# Altium PCB Radxa_E25_V1.4_20220119.PcbDoc (part 2 of 5)
Units mil, origin at the board's own origin, x right, y up, seen from the top; angles counter-clockwise.
Board outline 3106.31 x 2679.13 mil, 6 copper layers (Top, GND1, S1, Power, GND2, Bottom), stack 58.1 mil thick; 477 components, 352 nets, 1856 pads, 1064 vias.
Unrouted connection lines stored in the file: 297.
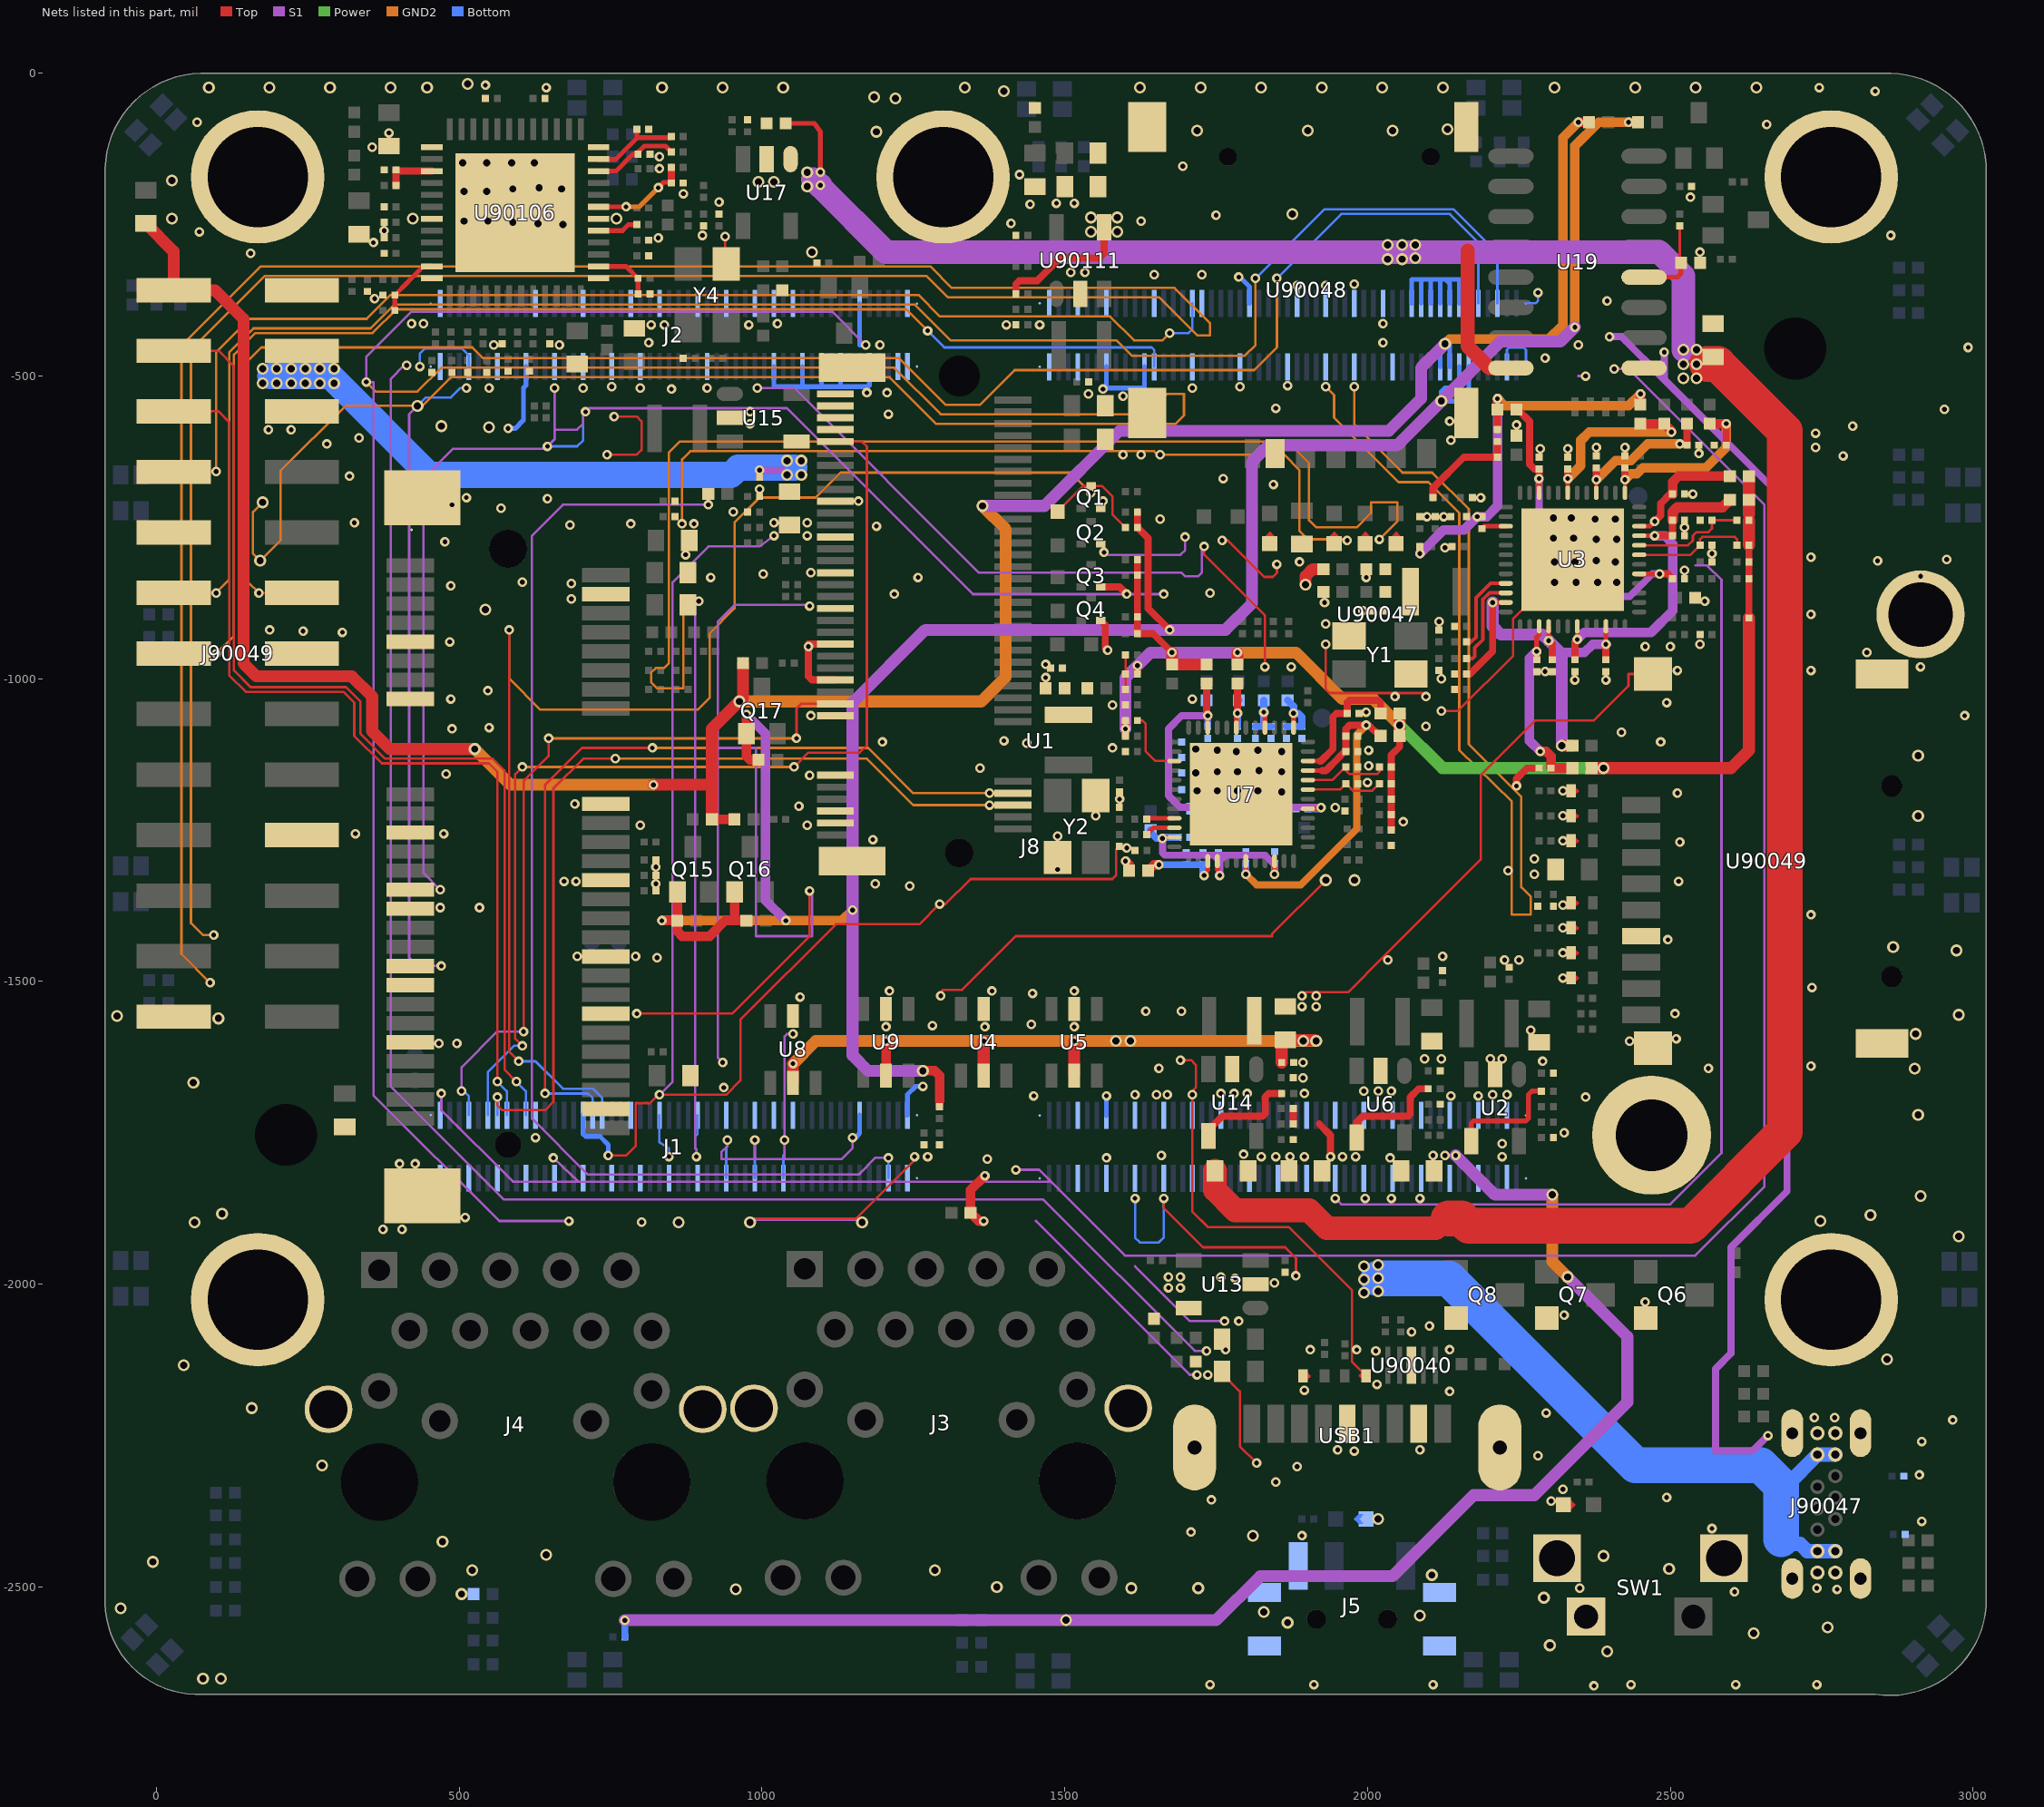
[diagram p6: the nets of this part, all layers, seen from the top]

## Via types
v1: diameter 15.75, hole 7.87, Top to Bottom, 825 vias
v2: diameter 19.68, hole 11.81, Top to Bottom, 239 vias

## Nets (pads, with @x,y where several pads share a name; then routed paths per layer and width w, separated by ;. In a path a pad name is that pad's centre, name@x,y a point inside that pad or via, vN(x,y) a via of type N, cw(c..) or ccw(c..) an arc to the next point about the centre after c; other vN are vias at no path point)
5V: C83.1 C106.1 C118.1 C128.1 C90300.1 J90047.A4 J90047.A9 J90047.B4 J90047.B9 J90049.2 J90049.4 R99.1 R110.1 R146.1 R90499.1 R90650.1 U1.77 U1.79 U1.81 U1.83 U1.85 U1.87 U13.5 U14.4 U15.4 U17.1 U19.16 U90111.4 | length 7358
  Top w7.87: C118.1@1039.37,-82.68 1086.61,-82.68 1096.46,-96.46 v1(1096.46,-163.39) ; v2(2543.31,-480.31) C128.1@2561.02,-480.31
  Top w11.81: R110.1@996.06,-667.32 v1(996.06,-655.51) ; R90650.1@1419.29,-364.17 1419.29,-348.43 1425.2,-342.52 1454.72,-342.52 1492.13,-305.12 1557.09,-305.12 1564.96,-297.24 U90111.4@1564.92,-253.97 U90111.4@1564.92,-253.97 ; U14.4@1737.5,-1755.14 1737.5,-1745.29 1760.35,-1722.44 1826.77,-1722.44 1830.71,-1718.5 1830.71,-1690.94 1836.61,-1685.04 R99.1@1858.27,-1685.04
  Top w23.62: 2165.35,-293.31 2165.35,-450.79 2201.27,-486.7 U19.16@2236.8,-486.7
  Top w39.37: C83.1@1748.03,-1812.99 1748.03,-1844.49 1781.5,-1877.95 1903.54,-1877.95 1933.07,-1907.48 2112.2,-1907.48 2127.95,-1891.73 2133.86,-1891.73
  Top w59.06: 2133.86,-1891.73 2155.51,-1891.73 2167.32,-1903.54 2533.46,-1903.54 2688.98,-1748.03 2688.98,-590.55 2578.74,-480.31 C128.1@2561.02,-480.31
  S1 w3.94: v2(1074.8,-163.39) v2(1074.8,-187.01) v1@1096.46,-187.01 ; v2@1082.68,-163.39 v1(1096.46,-163.39)
  S1 w7.87: v2(1074.8,-163.39) 1082.68,-163.39 1084.65,-165.35 1084.65,-175.2
  S1 w11.81: v1(996.06,-655.51) 1033.46,-655.51 v2(1041.34,-663.39)
  S1 w39.37: 1084.65,-175.2 1085.63,-176.18 1095.47,-186.02 v1@1096.46,-187.01 ; v1(1096.46,-185.04) v1@1096.46,-187.01 ; v2(2521.65,-456.69) 2521.65,-334.65 2482.28,-295.28 2078.74,-295.28 1204.72,-295.28 v1@1096.46,-187.01
  Bottom w3.94: v2(175.2,-488.19) 176.42,-488.19 188.23,-500 ; v2(1041.34,-663.39) 1053.15,-651.57
  Bottom w7.87: U1.77@2072.83,-379.92 2072.83,-340.55 2088.58,-340.55 ; U1.79@2088.58,-379.92 2088.58,-340.55 ; U1.81@2104.33,-379.92 2104.33,-342.88 2102,-340.55 ; U1.83@2120.08,-379.92 2120.08,-341.11 2119.52,-340.55 ; U1.85@2135.83,-379.92 2135.83,-347.08 2129.3,-340.55 ; U1.87@2151.57,-379.92 2151.57,-340.55 2129.3,-340.55 ; 2088.58,-340.55 2102,-340.55 ; 2102,-340.55 2119.52,-340.55 ; 2119.52,-340.55 2129.3,-340.55
  Bottom w23.62: 2683.07,-2421.26 2690.94,-2429.13 2714.57,-2429.13 2726.38,-2440.94 J90047.A4@2743.11,-2440.94 J90047.B9@2772.64,-2440.94 ; 2683.07,-2332.68 2691.93,-2332.68 J90047.A9@2743.11,-2281.5 J90047.B4@2772.64,-2281.5
  Bottom w43.31: 188.23,-500 287.4,-500 450.79,-663.39 948.82,-663.39 960.63,-651.57 1041.34,-651.57 1053.15,-651.57
  Bottom w59.06: v2(2017.72,-1990.16) 2133.86,-1990.16 2442.91,-2299.21 2649.61,-2299.21 2683.07,-2332.68 2683.07,-2421.26
  other v1: 1671.26,-2005.91 1690.94,-2005.91 1671.26,-1988.19 1690.94,-1988.19
  other v2: 1994.09,-2013.78 2017.72,-2011.81 1994.09,-1992.13 1994.09,-1970.47 2017.72,-1968.5 1064.96,-663.39 1041.34,-639.76 1064.96,-639.76 175.2,-511.81 198.82,-511.81 222.44,-511.81 246.06,-511.81 269.68,-511.81 293.31,-511.81 2521.65,-503.94 2543.31,-503.94 198.82,-488.19 222.44,-488.19 246.06,-488.19 269.68,-488.19 293.31,-488.19 2521.65,-480.31 2543.31,-456.69 2033.46,-307.09 2057.09,-307.09 2078.74,-305.12 2033.46,-283.46 2057.09,-283.46 2078.74,-283.46 1543.31,-261.81 1586.61,-261.81 1543.31,-238.19 1586.61,-238.19
+1V8: Q15.1 Q16.1 Q17.1 R2.2 R44.1 R87.1 R930.1 R90643.1 R90645.1 R90647.1 U1.88 U1.90 | length 4236.3
  Top w11.81: R930.1@1293.31,-1706.69 1293.31,-1696.85 ; R87.1@1620.08,-724.41 R44.1@1620.08,-750 1637.8,-767.72 1637.8,-883.86 v1(1673.23,-919.29)
  Top w15.75: v1(834.65,-1399.61) R90643.1@860.24,-1399.61 ; Q15.1@860.24,-1352.36 R90643.1@860.24,-1399.61 ; Q16.1@954.72,-1352.36 954.72,-1393.7 960.63,-1399.61 ; R90645.1@974.41,-1399.61 960.63,-1399.61 ; v1(974.41,-1059.06) Q17.1@974.41,-1090.55 974.41,-1127.95 980.31,-1133.86 R90647.1@994.09,-1133.86 ; v2(1265.75,-1647.64) 1285.43,-1647.64 1293.31,-1655.51 1293.31,-1696.85 ; v1(2431.1,-80.71) R2.2@2446.85,-80.71 ; R90643.1@860.24,-1399.61 860.24,-1417.32 868.11,-1425.2 913.39,-1425.2 938.98,-1399.61 960.63,-1399.61
  S1 w15.75: v1(974.41,-1059.06) 1005.91,-1090.55 1005.91,-1366.14 v1(1039.37,-1399.61)
  S1 w19.68: v2(1265.75,-1647.64) 1175.2,-1647.64 1149.61,-1622.05 v1(1149.61,-1381.89) 1149.61,-1039.37 1269.68,-919.29 v1(1673.23,-919.29) 1765.75,-919.29 1809.06,-875.98 1809.06,-641.73 1836.61,-614.17 2049.21,-614.17 v2(2122.05,-541.34) 2220.47,-442.91 2318.9,-442.91 v1(2342.52,-419.29)
  GND2 w15.75: v1(834.65,-1399.61) v1(1039.37,-1399.61) 1131.89,-1399.61 v1(1149.61,-1381.89) ; v1(2342.52,-419.29) 2342.52,-120.08 2381.89,-80.71 v1(2431.1,-80.71)
  Bottom w7.87: U1.88@2151.57,-484.65 2151.57,-511.89 2143.78,-519.68 2127.95,-519.68 2122.05,-525.59 v2(2122.05,-541.34) 2153.54,-541.34 2167.32,-527.56 U1.90@2167.32,-484.65
+3V3: J90049.1 R1.2 R148.1 R90642.1 R90644.1 R90646.1 U1.84 U1.86 | length 4361.8
  Top w15.75: R90642.1@917.32,-1232.28 R90644.1@954.72,-1232.28 ; v1(2348.43,-80.71) R1.2@2366.14,-80.71
  Top w19.68: R148.1@-17.72,-248.03 28.35,-294.09 J90049.1@28.35,-358.27 96.46,-358.27 143.7,-405.51 143.7,-974.41 165.35,-996.06 322.83,-996.06 356.3,-1029.53 356.3,-1086.61 385.83,-1116.14 v2(525.59,-1116.14) ; v1(820.87,-1175.2) 917.32,-1175.2 ; R90642.1@917.32,-1232.28 917.32,-1175.2 ; R90646.1@968.5,-974.41 968.5,-1031.5 v2(962.6,-1037.4) 917.32,-1082.68 917.32,-1175.2
  S1 w19.68: v2(1364.17,-714.57) 1466.54,-714.57 1590.55,-590.55 2035.43,-590.55 2088.58,-537.4 2088.58,-486.22 v2(2127.95,-446.85)
  GND2 w15.75: v2(2127.95,-446.85) 2135.83,-438.98 2299.21,-438.98 2322.83,-415.35 2322.83,-106.3 v1(2348.43,-80.71)
  GND2 w19.68: v2(525.59,-1116.14) 584.65,-1175.2 v1(820.87,-1175.2) ; v2(962.6,-1037.4) 1362.2,-1037.4 1402.56,-997.05 1402.56,-752.95 v2(1364.17,-714.57)
  Bottom w7.87: U1.84@2120.08,-484.65 2120.08,-446.85 v2(2127.95,-446.85) 2135.83,-446.85 U1.86@2135.83,-484.65
+V3P3A: C4.1 C42.1 C84.1 C85.1 C86.1 L5.2 R3.2 R5.1 R8.2 R12.2 R14.1 R15.1 R18.2 R20.1 R23.1 R25.1 R26.1 R27.1 R28.1 R29.1 R33.1 R35.1 R42.1 R45.1 R47.1 R49.2 R52.2 R56.2 R58.1 R59.1 R62.2 R64.1 R67.1 R69.1 R70.1 R71.1 R72.1 R73.1 R77.1 R78.1 R86.1 R89.1 R100.1 U2.4 U4.5 U5.5 U6.4 U8.5 U9.5 | length 7028.2
  Top w3.94: R35.1@2629.92,-834.65 R35.1@2629.92,-832.68 ; R29.1@2629.92,-738.19 2629.92,-728.35
  Top w7.87: U2.4@2171.55,-1763.49 2171.55,-1733.96 2175.2,-1730.31 2261.81,-1730.31 2265.75,-1726.38 2265.75,-1687.01 2271.65,-1681.1 R5.1@2287.4,-1681.1
  Top w11.81: R62.2@1600.39,-1094.49 v1(1600.39,-1082.68) R69.1@1600.39,-1068.9 ; R64.1@1620.08,-992.13 v1(1620.08,-978.35) ; R45.1@1620.08,-803.15 R26.1@1620.08,-828.74 R89.1@1620.08,-897.64 1620.08,-899.61 R70.1@1620.08,-925.2 1645.67,-925.2 v1(1677.17,-956.69) ; C84.1@1877.22,-1735.49 R100.1@1877.22,-1709.9 ; 1920.53,-1735.49 1938.98,-1753.94 v1(1938.98,-1789.37) ; U6.4@1982.32,-1757.84 1982.32,-1732.24 1992.13,-1722.44 2066.93,-1722.44 2070.87,-1718.5 2070.87,-1690.94 2084.65,-1677.17 R47.1@2100.39,-1677.17 ; R71.1@2039.37,-1250 R77.1@2039.37,-1173.23 2039.37,-1125.98 2053.15,-1112.2 R49.2@2053.15,-1094.49 ; v1(2086.61,-793.31) R18.2@2086.61,-781.5 ; v1(2181.1,-732.28) R25.1@2188.98,-732.28 ; R20.1@2214.57,-588.58 R12.2@2214.57,-555.12 ; R27.1@2629.92,-899.61 R35.1@2629.92,-834.65 ; R35.1@2629.92,-832.68 R28.1@2629.92,-807.09 R33.1@2629.92,-779.53
  Top w15.75: U9.5@1204.72,-1655.51 v1(1204.72,-1598.43) ; v1(1600.39,-1301.18) 1606.3,-1307.09 R52.2@1606.3,-1312.99 ; R12.2@2214.57,-555.12 v1(2214.57,-537.4) ; R14.1@2450.79,-547.24 v1(2450.79,-529.53)
  Top w19.68: U8.5@1051.18,-1667.32 v1(1051.18,-1635.83) ; U4.5@1366.14,-1655.51 v1(1366.14,-1598.43) ; U5.5@1515.75,-1655.51 v1(1515.75,-1598.43) ; v1(1677.17,-956.69) R59.1@1677.17,-976.38 R56.2@1734.25,-976.38 ; R58.1@1785.43,-976.38 v1(1785.43,-956.69) ; C86.1@1858.27,-1633.86 1858.27,-1602.36 C85.1@1864.17,-1596.46 v2@1913.39,-1596.46 ; v2(1897.64,-844.49) 1897.64,-830.71 1909.45,-818.9 R15.1@1927.17,-818.9 ; R49.2@2053.15,-1094.49 v2(2053.15,-1076.77) R67.1@2053.15,-1057.09 ; R8.2@2370.08,-1147.64 v2(2389.76,-1147.64) 2600.39,-1147.64 2629.92,-1118.11 R27.1@2629.92,-899.61 ; R33.1@2629.92,-779.53 R29.1@2629.92,-738.19 ; 2629.92,-728.35 R3.2@2629.92,-704.72 R23.1@2629.92,-665.35
  S1 w15.75: v1(2086.61,-793.31) 2125.98,-753.94 2159.45,-753.94 v1(2181.1,-732.28) 2196.85,-732.28 2214.57,-714.57 v1(2214.57,-537.4)
  S1 w19.68: v1(773.62,-2555.12) v2(1501.97,-2555.12) 1750,-2555.12 1822.83,-2482.28 2041.34,-2482.28 2175.2,-2348.43 2275.59,-2348.43 2429.13,-2194.88 2429.13,-2086.61 v2(2330.71,-1988.19) ; v1(1600.39,-1082.68) 1600.39,-998.03 1641.73,-956.69 v1(1677.17,-956.69) v1(1785.43,-956.69) ; v1(2145.67,-1787.4) 2210.63,-1852.36 v2(2305.12,-1852.36)
  Power w19.68: v2(2053.15,-1076.77) 2124.02,-1147.64 v2(2389.76,-1147.64)
  GND2 w15.75: v1(2214.57,-537.4) 2226.38,-549.21 2431.1,-549.21 v1(2450.79,-529.53)
  GND2 w19.68: v1(1051.18,-1635.83) 1088.58,-1598.43 v1(1204.72,-1598.43) v1(1366.14,-1598.43) v1(1515.75,-1598.43) v2(1584.65,-1598.43) v2(1608.27,-1598.43) v2(1893.7,-1598.43) v2(1915.35,-1598.43) ; v1(1785.43,-956.69) 1881.89,-956.69 1958.66,-1033.46 2009.84,-1033.46 v2(2053.15,-1076.77) ; v2(2305.12,-1852.36) 2305.12,-1962.6 v2(2330.71,-1988.19)
  Bottom w11.81: R86.1@773.62,-2582.68 v1(773.62,-2555.12) ; R42.1@1478.35,-2553.15 1500,-2553.15 v2(1501.97,-2555.12)
  other v1: 1958.66,-1789.37 1980.31,-1789.37 2108.27,-1787.4 2127.95,-1787.4
+V3P3SX: R16.2 R20.2 R30.1 | length 168.8
  Top w11.81: R16.2@2108.27,-700.79 2108.27,-685.04 2159.45,-633.86 R30.1@2214.57,-633.86 R20.2@2214.57,-608.27
+V3P3SX_PCIE3: R60.2 R64.2 R74.1 | length 57.1
  Top w3.94: R60.2@1600.39,-1017.72 R64.2@1600.39,-992.13 R74.1@1600.39,-960.63
AVDD09_10: C11.1 C12.1 C13.1 R4.2 U3.11 U3.16 U3.22 | length 694.8
  Top w7.87: v1(2206.69,-874.02) U3.11@2228.35,-874.02 ; v1(2299.21,-937.01) U3.16@2299.21,-913.39 ; v1(2393.7,-942.91) U3.22@2393.7,-913.39
  Top w11.81: C13.1@2163.39,-992.13 2169.29,-992.13 2206.69,-954.72 v1(2206.69,-874.02) ; v1(2299.21,-937.01) 2305.12,-942.91 C11.1@2305.12,-968.5 ; C12.1@2393.7,-968.5 v1(2393.7,-942.91)
  Top w19.68: v2(2320.87,-1110.24) R4.2@2338.58,-1110.24
  S1 w15.75: 2320.87,-958.66 2322.83,-956.69 2358.27,-956.69 2372.05,-942.91 v1(2393.7,-942.91)
  S1 w19.68: v1(2206.69,-874.02) 2206.69,-913.39 2220.47,-927.17 2289.37,-927.17 v1(2299.21,-937.01) 2320.87,-958.66 v2(2320.87,-1110.24)
AVDD09_10_PCIE3: C48.1 C49.1 C50.1 R50.2 U7.11 U7.16 U7.22 | length 440.2
  Top w7.87: v1(1661.42,-1263.78) 1663.39,-1261.81 U7.11@1681.1,-1261.81 ; U7.16@1751.97,-1301.18 1751.97,-1314.96 v1(1755.91,-1324.8) ; v1(1846.46,-1322.83) U7.22@1846.46,-1301.18
  S1 w11.81: v1(1661.42,-1263.78) 1661.42,-1287.4 1665.35,-1291.34 1746.06,-1291.34 ; v1(1755.91,-1324.8) 1755.91,-1301.18 ; v1(1846.46,-1322.83) 1846.46,-1307.09 1830.71,-1291.34 1765.75,-1291.34 ; 1746.06,-1291.34 1765.75,-1291.34 ; 1746.06,-1291.34 1755.91,-1301.18 ; 1755.91,-1301.18 1765.75,-1291.34
  Bottom w11.81: R50.2@1641.73,-1250 1641.73,-1253.94 1651.57,-1263.78 v1(1661.42,-1263.78) 1663.39,-1261.81 C50.1@1687.01,-1261.81 ; C48.1@1753.94,-1307.09 v1(1755.91,-1324.8) ; v1(1846.46,-1322.83) C49.1@1846.46,-1305.12
AVDD33: C8.1 C9.1 C10.1 R3.1 U3.19 U3.33 | length 577
  Top w7.87: v1(2346.46,-935.04) U3.19@2346.46,-913.39 ; U3.33@2448.82,-763.78 v1(2474.41,-763.78)
  Top w11.81: C9.1@2342.52,-968.5 2342.52,-938.98 v1(2346.46,-935.04) ; v1(2474.41,-763.78) C10.1@2503.94,-763.78 C8.1@2503.94,-738.19
  Top w17.32: C8.1@2503.94,-738.19 2503.94,-724.41 2511.81,-716.54 2586.61,-716.54 R3.1@2598.43,-704.72
  S1 w15.75: v1(2346.46,-935.04) 2358.27,-923.23 2468.5,-923.23 2503.94,-887.8 2503.94,-777.59 2492.1,-763.78 v1(2474.41,-763.78)
AVDD33_PCIE3: C45.1 C46.1 C47.1 R49.1 U7.19 U7.33 | length 629.9
  Top w7.87: v1(1799.21,-1322.83) 1801.09,-1322.41 1799.21,-1314.09 U7.19@1799.21,-1301.18 ; U7.33@1901.57,-1151.57 1925.2,-1151.57
  Top w11.81: 1925.2,-1151.57 1931.34,-1151.57 1951.89,-1131.02 1951.89,-1130.79 1962.6,-1120.08 C46.1@1964.57,-1120.08 C47.1@1964.57,-1094.49 1964.57,-1082.68 1970.47,-1076.77 v1(1998.03,-1076.77) 2001.97,-1076.77 2009.84,-1084.65 2017.72,-1090.55 2021.65,-1090.55 R49.1@2021.65,-1094.49
  GND2 w11.81: v1(1799.21,-1322.83) 1816.93,-1340.55 1889.76,-1340.55 1982.28,-1248.03 1982.28,-1092.52 v1(1998.03,-1076.77)
  Bottom w11.81: v1(1799.21,-1322.83) C45.1@1799.21,-1305.12
AVDD33_PLL: C15.1 C16.1 R8.1 U3.15 | length 310.4
  Top w7.87: v1(2279.53,-954.72) 2279.53,-931.1 2283.46,-927.17 U3.15@2283.46,-913.39
  Top w11.81: C16.1@2279.53,-968.5 v1(2279.53,-954.72)
  Top w15.75: v1(2285.43,-1120.08) 2295.28,-1120.08 2303.15,-1127.95 C15.1@2303.15,-1147.64 R8.1@2338.58,-1147.64
  S1 w15.75: v1(2279.53,-954.72) 2267.72,-966.54 2267.72,-1102.36 v1(2285.43,-1120.08)
AVDD33_PLL_PCIE3: C52.1 C53.1 R52.1 U7.15 | length 138.6
  Top w7.87: v1(1730.31,-1324.8) 1736.22,-1315.85 U7.15@1736.22,-1301.18
  Top w15.75: R52.1@1637.8,-1316.93 1647.64,-1307.09 v1(1655.51,-1307.09)
  Bottom w11.81: v1(1655.51,-1307.09) C52.1@1700.79,-1307.09 C53.1@1728.35,-1307.09 1728.35,-1322.83 v1(1730.31,-1324.8)
AVDD33_XTAL: C32.1 R23.2 U3.34 | length 206.9
  Top w7.87: U3.34@2448.82,-748.03 2466.54,-748.03 v1(2474.41,-740.16)
  Top w11.81: v1(2474.41,-740.16) 2484.25,-730.31 2484.25,-710.63 2500,-694.88 C32.1@2503.94,-694.88
  Top w15.75: C32.1@2503.94,-694.88 2503.94,-675.2 2513.78,-665.35 R23.2@2598.43,-665.35
AVDD33_XTAL_PCIE3: C69.1 R67.2 U7.34 | length 222.5
  Top w7.87: U7.34@1901.57,-1135.83 1921.26,-1135.83
  Top w11.81: 1921.26,-1135.83 1923.23,-1135.83 1942.91,-1116.14 1942.91,-1062.99 1948.82,-1057.09 C69.1@1966.54,-1057.09 1966.54,-1039.37 1970.47,-1035.43 2017.72,-1035.43 2021.65,-1039.37 R67.2@2021.65,-1057.09
CH3V3: C129.1 R233.2 U19.4 | length 145.7
  Top w3.94: R233.2@2515.75,-251.97 2515.75,-309.06 2519.68,-312.99 C129.1@2517.72,-312.99
  Top w7.87: U19.4@2456.8,-336.7 2511.72,-336.7 2517.72,-330.71 C129.1@2517.72,-312.99
CKXTAL1: R82.2 U7.10 | length 50.4
  Top w7.87: R82.2@1635.36,-1257.41 1646.7,-1246.06 U7.10@1681.1,-1246.06
CKXTAL1_16743514: R38.2 U3.10 | length 156.7
  Top w6: R38.2@2163.39,-966.54 2173.23,-966.54 2177.17,-962.6 2177.17,-948.82 2190.94,-935.04 2190.94,-868.82 2201.49,-858.27 U3.10@2228.35,-858.27
CKXTAL2: R84.2 U7.9 | length 46.4
  Top w7.87: R84.2@1635.36,-1231.82 1636.86,-1230.31 U7.9@1681.1,-1230.31
CKXTAL2_16741634: R40.2 U3.9 | length 142.7
  Top w6: R40.2@2163.39,-938.98 2171.26,-938.98 2179.13,-931.1 2179.13,-866.58 2203.19,-842.52 U3.9@2228.35,-842.52
CLKIN_SEL0: R90559.2 R90611.1 U90106.19 | length 162.4
  Top w7.87: U90106.19@730.31,-220.47 v1(775.59,-220.47) ; v1(828.74,-188.98) 837.6,-180.12 850.39,-180.12 R90611.1@850.39,-181.1
  Top w11.81: R90611.1@850.39,-180.12 R90559.2@850.39,-155.51
  GND2 w7.87: v1(775.59,-220.47) 797.24,-220.47 v1(828.74,-188.98)
CLKIN_SEL1: R90590.2 R90591.1 U90106.22 | length 145.5
  Top w7.87: U90106.22@730.31,-161.42 759.36,-161.42 786.92,-133.86 R90591.1@795.28,-133.86 795.28,-132.23 793.64,-132.23 805.79,-120.08 840.55,-120.08 R90590.2@850.39,-129.92
CLKOUTA_TYPE0: R90593.1 R90594.2 U90106.14 | length 98.7
  Top w7.87: U90106.14@730.31,-318.9 775.59,-318.9 R90594.2@795.28,-338.58 R90593.1@795.28,-364.17
CLKOUTA_TYPE1: R90554.1 R90557.2 U90106.47 | length 107.3
  Top w7.87: R90557.2@393.7,-391.73 R90554.1@393.7,-366.14 415.76,-344.08 415.76,-343.77 441.28,-318.25 454.72,-318.25 U90106.47@454.72,-318.9
CLKOUTB_TYPE0: R90555.2 R90561.1 U90106.23 | length 150.9
  Top w7.87: U90106.23@730.31,-141.73 730.31,-142.38 757.87,-142.38 793.31,-106.95 ; R90561.1@793.31,-92.52 793.31,-106.95 ; R90555.2@850.39,-104.33 848.43,-106.3 793.95,-106.3 793.31,-106.95
CLKOUTB_TYPE1: R90588.2 R90589.1 U90106.39 | length 85.5
  Top w11.81: R90588.2@395.67,-185.04 R90589.1@395.67,-159.45 397.64,-161.42 U90106.39@454.72,-161.42
CORE_SOURCE: C67.1 C68.1 L4.1 R65.1
CORE_SOURCE_16741210: C30.1 C31.1 L2.1 R21.1
DVDD33: C22.1 C23.1 R12.1 U3.29 U3.46 | length 619.7
  Top w7.87: U3.29@2448.82,-826.77 v1(2482.28,-826.77)
  Top w8.66: U3.46@2283.46,-692.91 v1(2283.46,-669.29)
  Top w11.81: R12.1@2246.06,-555.12 2248.03,-555.12 2267.72,-574.8 2267.72,-645.67 2275.59,-653.54 C22.1@2283.46,-653.54 v1(2283.46,-669.29) ; v1(2482.28,-826.77) 2496.06,-826.77 C23.1@2503.94,-834.65
  S1 w11.81: v1(2283.46,-669.29) 2283.46,-852.36 2295.28,-864.17 2433.07,-864.17 2470.47,-826.77 v1(2482.28,-826.77)
DVDD33_PCIE3: C59.1 C60.1 R56.1 U7.29 U7.46 | length 582.9
  Top w7.87: U7.46@1736.22,-1080.71 v1(1736.22,-1061.02) ; U7.29@1901.57,-1214.57 1923.23,-1214.57 v1(1923.23,-1212.6)
  Top w11.81: R56.1@1734.25,-1007.87 1734.25,-1059.06 v1(1736.22,-1061.02)
  S1 w11.81: v1(1736.22,-1061.02) 1692.91,-1061.02 1671.26,-1082.68 1671.26,-1192.91 1690.94,-1212.6 v1(1923.23,-1212.6)
  Bottom w11.81: C59.1@1736.22,-1078.74 v1(1736.22,-1061.02) ; C60.1@1901.57,-1214.57 1923.23,-1214.57 v1(1923.23,-1212.6)
EECS/SCL: R77.2 R79.2 U7.31 | length 132.3
  Top w3.94: U7.31@1901.57,-1183.07 1954.72,-1183.07 R79.2@1964.57,-1173.23 1972.44,-1181.1 1972.44,-1181.58 1975.9,-1185.04 2007.87,-1185.04 R77.2@2019.68,-1173.23
EECS/SCL_16741166: R33.2 R34.2 U3.31 | length 190.9
  Top w3.94: U3.31@2448.82,-795.28 2533.46,-795.28 R34.2@2549.21,-779.53 2549.21,-769.68 2553.15,-765.75 2606.3,-765.75 2610.24,-769.68 R33.2@2610.24,-779.53
EEPROM_SEL: R73.2 R76.2 U7.32 | length 147.2
  Top w3.94: U7.32@1901.57,-1167.32 1942.1,-1167.32 R76.2@1963.75,-1145.67 ; R73.2@2019.68,-1145.67 2019.68,-1153.54 2015.75,-1157.48 1970.47,-1157.48 1963.75,-1150.76 R76.2@1963.75,-1145.67 ; R76.2@1963.75,-1145.67 1964.57,-1144.85 R76.2@1964.57,-1145.67 R76.2@1963.75,-1145.67
EEPROM_SEL_16742224: R29.2 R32.2 U3.32 | length 191.2
  Top w3.94: U3.32@2448.82,-779.53 2529.53,-779.53 2537.4,-771.65 2537.4,-763.78 2543.31,-757.87 2562.99,-757.87 2568.9,-751.97 R32.2@2568.9,-738.19 R29.2@2610.24,-738.19
EVDD09_10: C17.1 C18.1 R10.2 U3.37 | length 333
  Top w5.91: U3.37@2425.2,-692.91 v1(2425.2,-671.26)
  Top w11.81: v1(2425.2,-671.26) C17.1@2425.2,-651.57 ; C18.1@2592.52,-614.17 v1(2592.52,-578.74)
  Top w15.75: R10.2@2564.96,-578.74 v1(2592.52,-578.74)
  GND2 w15.75: v1(2425.2,-671.26) 2435.04,-661.42 2444.88,-661.42 2454.72,-651.57 2559.06,-651.57 2592.52,-618.11 v1(2592.52,-578.74)